# KiCad board GanJing 65 rev 2 solder-rounded.kicad_pcb (continued)
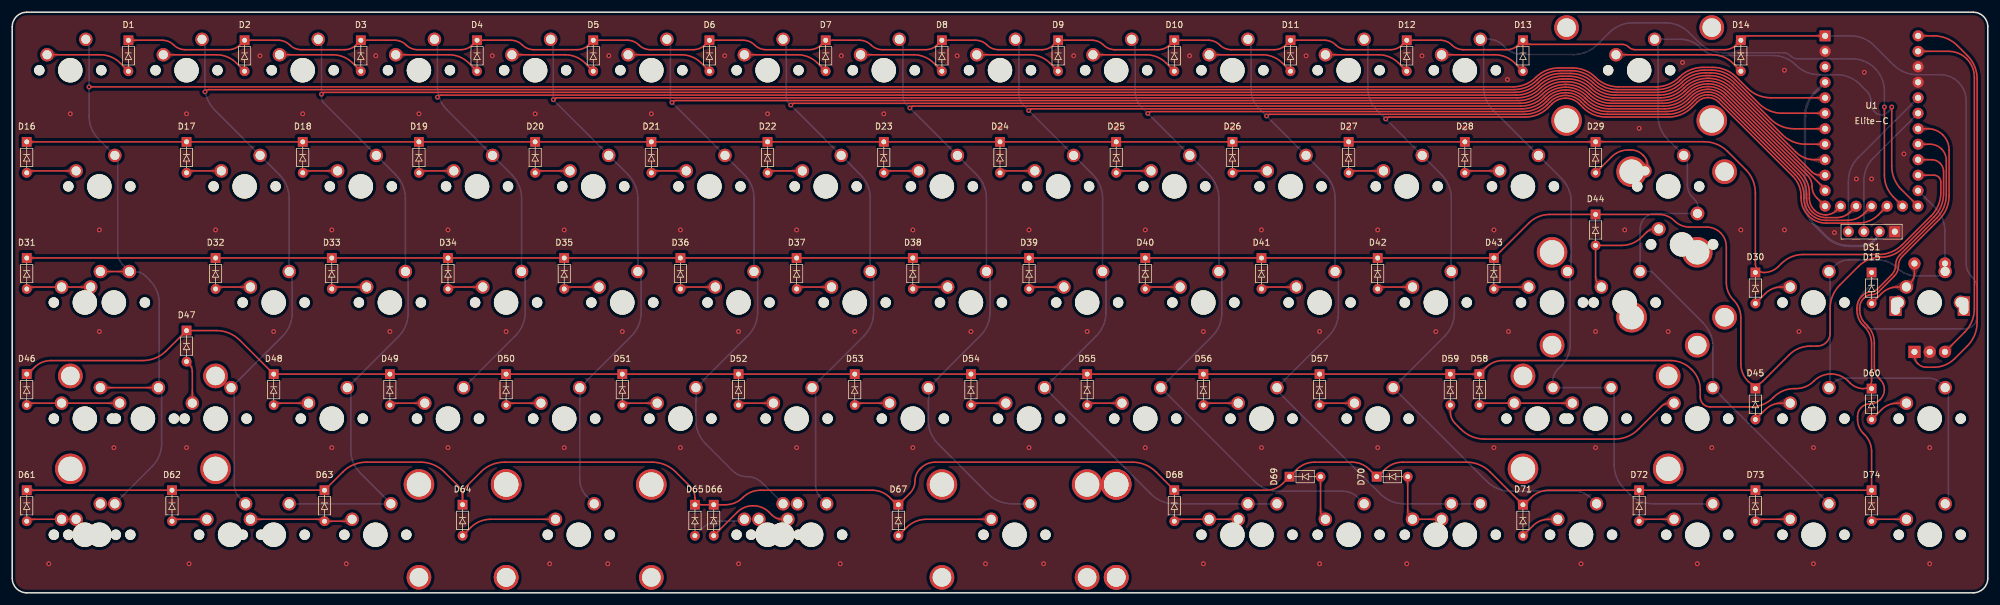
[diagram p0: board, top side]
## Copper pours and planes (outline as drawn; the poured copper is in the pictures) (continued)
Net-(D58-Pad2) on Top: 242.04,31.24 241.83,31.25 241.66,31.27 241.51,31.31 241.38,31.36 241.26,31.41 241.14,31.46 241.02,31.51 240.88,31.55 240.73,31.58 240.54,31.6 240.14,30.64 241.11,30.27 241.2,30.39 241.28,30.5 241.35,30.6 241.42,30.7 241.48,30.78 241.56,30.85 241.65,30.91 241.75,30.95 241.88,30.98 242.04,30.99
Net-(D58-Pad2) on Top: 242.04,31.24 241.83,31.25 241.66,31.27 241.51,31.31 241.38,31.36 241.26,31.41 241.14,31.46 241.02,31.51 240.88,31.55 240.73,31.58 240.54,31.6 240.14,30.64 241.11,30.27 241.2,30.39 241.28,30.5 241.35,30.6 241.42,30.7 241.48,30.78 241.56,30.85 241.65,30.91 241.75,30.95 241.88,30.98 242.04,30.99
Net-(D58-Pad2) on Top: 253.56,30.99 253.82,30.98 254.03,30.94 254.2,30.87 254.35,30.79 254.48,30.7 254.61,30.59 254.74,30.48 254.89,30.36 255.06,30.24 255.27,30.12 256.3,31.12 255.27,32.1 255.06,31.99 254.89,31.87 254.74,31.75 254.61,31.64 254.48,31.53 254.35,31.44 254.2,31.36 254.03,31.29 253.82,31.25 253.56,31.24
Net-(D59-Pad2) on Top: 235.98,28.93 235.93,29.14 235.91,29.32 235.93,29.48 235.96,29.61 236.02,29.74 236.09,29.86 236.27,30.12 236.37,30.27 236.46,30.45 235.74,31.2 235.02,30.45 235.12,30.26 235.2,30.1 235.35,29.83 235.41,29.71 235.48,29.58 235.54,29.44 235.6,29.28 235.67,29.09 235.74,28.86
Net-(D59-Pad2) on Top: 270.42,30.5 270.59,30.63 270.75,30.7 270.9,30.71 271.05,30.68 271.19,30.61 271.34,30.51 271.49,30.4 271.65,30.28 271.83,30.18 272.03,30.09 272.96,31.16 271.65,31.91 271.49,31.75 271.34,31.62 271.21,31.51 271.09,31.41 270.86,31.23 270.73,31.12 270.59,31 270.43,30.86 270.25,30.68
Net-(D59-Pad2) on Top: 235.98,28.93 235.93,29.14 235.91,29.32 235.93,29.48 235.96,29.61 236.02,29.74 236.09,29.86 236.27,30.12 236.37,30.27 236.46,30.45 235.74,31.2 235.02,30.45 235.12,30.26 235.2,30.1 235.35,29.83 235.41,29.71 235.48,29.58 235.54,29.44 235.6,29.28 235.67,29.09 235.74,28.86
Net-(D59-Pad2) on Top: 270.42,30.5 270.59,30.63 270.75,30.7 270.9,30.71 271.05,30.68 271.19,30.61 271.34,30.51 271.49,30.4 271.65,30.28 271.83,30.18 272.03,30.09 272.96,31.16 271.65,31.91 271.49,31.75 271.34,31.62 271.21,31.51 271.09,31.41 270.86,31.23 270.73,31.12 270.59,31 270.43,30.86 270.25,30.68
Net-(D60-Pad2) on Top: 305.84,29.63 305.7,29.5 305.57,29.41 305.45,29.35 305.33,29.32 305.22,29.29 305.1,29.28 304.98,29.27 304.85,29.25 304.7,29.22 304.54,29.17 304.52,28.13 305.56,28.15 305.6,28.32 305.63,28.46 305.65,28.59 305.66,28.72 305.68,28.84 305.7,28.95 305.74,29.07 305.8,29.19 305.89,29.31 306.01,29.45
Net-(D60-Pad2) on Top: 307.96,30.83 308.25,30.9 308.49,30.92 308.7,30.9 308.89,30.85 309.06,30.76 309.23,30.65 309.4,30.53 309.58,30.39 309.79,30.26 310.04,30.12 311.06,31.12 310.04,32.1 309.77,31.97 309.56,31.85 309.37,31.74 309.2,31.64 309.03,31.55 308.86,31.45 308.67,31.36 308.46,31.27 308.2,31.17 307.89,31.07
Net-(D60-Pad2) on Top: 305.84,29.63 305.7,29.5 305.57,29.41 305.45,29.35 305.33,29.32 305.22,29.29 305.1,29.28 304.98,29.27 304.85,29.25 304.7,29.22 304.54,29.17 304.52,28.13 305.56,28.15 305.6,28.32 305.63,28.46 305.65,28.59 305.66,28.72 305.68,28.84 305.7,28.95 305.74,29.07 305.8,29.19 305.89,29.31 306.01,29.45
Net-(D60-Pad2) on Top: 307.96,30.83 308.25,30.9 308.49,30.92 308.7,30.9 308.89,30.85 309.06,30.76 309.23,30.65 309.4,30.53 309.58,30.39 309.79,30.26 310.04,30.12 311.06,31.12 310.04,32.1 309.77,31.97 309.56,31.85 309.37,31.74 309.2,31.64 309.03,31.55 308.86,31.45 308.67,31.36 308.46,31.27 308.2,31.17 307.89,31.07
Net-(D61-Pad2) on Top: 8.28,11.94 8.54,11.93 8.75,11.89 8.93,11.82 9.08,11.74 9.21,11.65 9.34,11.54 9.47,11.43 9.62,11.31 9.79,11.19 10,11.07 11.03,12.06 10,13.06 9.79,12.94 9.62,12.82 9.47,12.7 9.34,12.59 9.21,12.48 9.08,12.39 8.93,12.31 8.75,12.24 8.54,12.2 8.28,12.19
Net-(D61-Pad2) on Top: 3.92,12.19 3.71,12.2 3.53,12.22 3.38,12.26 3.25,12.31 3.13,12.36 3.02,12.41 2.9,12.46 2.76,12.5 2.6,12.53 2.42,12.55 2.01,11.59 2.99,11.22 3.08,11.34 3.16,11.45 3.23,11.55 3.29,11.65 3.36,11.73 3.43,11.8 3.52,11.86 3.63,11.9 3.76,11.93 3.92,11.94
Net-(D61-Pad2) on Top: 8.28,11.94 8.54,11.93 8.75,11.89 8.93,11.82 9.08,11.74 9.21,11.65 9.34,11.54 9.47,11.43 9.62,11.31 9.79,11.19 10,11.07 11.03,12.06 10,13.06 9.79,12.94 9.62,12.82 9.47,12.7 9.34,12.59 9.21,12.48 9.08,12.39 8.93,12.31 8.75,12.24 8.54,12.2 8.28,12.19
Net-(D61-Pad2) on Top: 3.92,12.19 3.71,12.2 3.53,12.22 3.38,12.26 3.25,12.31 3.13,12.36 3.02,12.41 2.9,12.46 2.76,12.5 2.6,12.53 2.42,12.55 2.01,11.59 2.99,11.22 3.08,11.34 3.16,11.45 3.23,11.55 3.29,11.65 3.36,11.73 3.43,11.8 3.52,11.86 3.63,11.9 3.76,11.93 3.92,11.94
Net-(D62-Pad2) on Top: 29.72,11.94 29.98,11.93 30.19,11.89 30.37,11.82 30.51,11.74 30.65,11.65 30.77,11.54 30.9,11.43 31.05,11.31 31.22,11.19 31.43,11.07 32.46,12.06 31.43,13.06 31.22,12.94 31.05,12.82 30.9,12.7 30.77,12.59 30.65,12.48 30.51,12.39 30.37,12.31 30.19,12.24 29.98,12.2 29.72,12.19
Net-(D62-Pad2) on Top: 29.72,11.94 29.98,11.93 30.19,11.89 30.37,11.82 30.51,11.74 30.65,11.65 30.77,11.54 30.9,11.43 31.05,11.31 31.22,11.19 31.43,11.07 32.46,12.06 31.43,13.06 31.22,12.94 31.05,12.82 30.9,12.7 30.77,12.59 30.65,12.48 30.51,12.39 30.37,12.31 30.19,12.24 29.98,12.2 29.72,12.19
Net-(D62-Pad2) on Top: 27.73,12.19 27.52,12.2 27.34,12.22 27.19,12.26 27.06,12.31 26.95,12.36 26.83,12.41 26.71,12.46 26.57,12.5 26.42,12.53 26.23,12.55 25.83,11.59 26.8,11.22 26.89,11.34 26.97,11.45 27.04,11.55 27.1,11.65 27.17,11.73 27.25,11.8 27.33,11.86 27.44,11.9 27.57,11.93 27.73,11.94
Net-(D62-Pad2) on Top: 27.73,12.19 27.52,12.2 27.34,12.22 27.19,12.26 27.06,12.31 26.95,12.36 26.83,12.41 26.71,12.46 26.57,12.5 26.42,12.53 26.23,12.55 25.83,11.59 26.8,11.22 26.89,11.34 26.97,11.45 27.04,11.55 27.1,11.65 27.17,11.73 27.25,11.8 27.33,11.86 27.44,11.9 27.57,11.93 27.73,11.94
Net-(D63-Pad2) on Top: 52.78,11.87 52.6,11.88 52.44,11.91 52.32,11.95 52.21,12.01 52.11,12.07 52.02,12.14 51.92,12.22 51.82,12.3 51.69,12.39 51.54,12.47 50.79,11.75 51.54,11.03 51.69,11.11 51.82,11.19 51.92,11.27 52.02,11.35 52.11,11.42 52.21,11.49 52.32,11.54 52.44,11.59 52.6,11.61 52.78,11.62
Net-(D63-Pad2) on Top: 49.66,11.94 49.82,11.93 49.95,11.9 50.05,11.86 50.14,11.8 50.22,11.73 50.28,11.65 50.35,11.55 50.42,11.45 50.5,11.34 50.59,11.22 51.56,11.59 51.16,12.55 50.97,12.53 50.82,12.5 50.68,12.46 50.56,12.41 50.44,12.36 50.32,12.31 50.19,12.26 50.04,12.22 49.87,12.2 49.66,12.19
Net-(D63-Pad2) on Top: 41.24,12.19 40.98,12.2 40.77,12.24 40.6,12.31 40.45,12.39 40.31,12.48 40.19,12.59 40.06,12.7 39.91,12.82 39.74,12.94 39.53,13.06 38.5,12.06 39.53,11.07 39.74,11.19 39.91,11.31 40.06,11.43 40.19,11.54 40.31,11.65 40.45,11.74 40.6,11.82 40.77,11.89 40.98,11.93 41.24,11.94
Net-(D63-Pad2) on Top: 53.56,11.62 53.85,11.61 54.08,11.57 54.28,11.51 54.45,11.44 54.6,11.36 54.75,11.27 54.91,11.18 55.09,11.1 55.3,11.03 55.55,10.98 56.25,12.22 54.98,12.88 54.82,12.72 54.7,12.57 54.59,12.43 54.48,12.3 54.38,12.18 54.27,12.08 54.14,11.99 53.99,11.93 53.8,11.89 53.56,11.87
Net-(D63-Pad2) on Top: 53.56,11.62 53.85,11.61 54.08,11.57 54.28,11.51 54.45,11.44 54.6,11.36 54.75,11.27 54.91,11.18 55.09,11.1 55.3,11.03 55.55,10.98 56.25,12.22 54.98,12.88 54.82,12.72 54.7,12.57 54.59,12.43 54.48,12.3 54.38,12.18 54.27,12.08 54.14,11.99 53.99,11.93 53.8,11.89 53.56,11.87
Net-(D63-Pad2) on Top: 52.78,11.87 52.6,11.88 52.44,11.91 52.32,11.95 52.21,12.01 52.11,12.07 52.02,12.14 51.92,12.22 51.82,12.3 51.69,12.39 51.54,12.47 50.79,11.75 51.54,11.03 51.69,11.11 51.82,11.19 51.92,11.27 52.02,11.35 52.11,11.42 52.21,11.49 52.32,11.54 52.44,11.59 52.6,11.61 52.78,11.62
Net-(D63-Pad2) on Top: 41.24,12.19 40.98,12.2 40.77,12.24 40.6,12.31 40.45,12.39 40.31,12.48 40.19,12.59 40.06,12.7 39.91,12.82 39.74,12.94 39.53,13.06 38.5,12.06 39.53,11.07 39.74,11.19 39.91,11.31 40.06,11.43 40.19,11.54 40.31,11.65 40.45,11.74 40.6,11.82 40.77,11.89 40.98,11.93 41.24,11.94
Net-(D63-Pad2) on Top: 49.66,11.94 49.82,11.93 49.95,11.9 50.05,11.86 50.14,11.8 50.22,11.73 50.28,11.65 50.35,11.55 50.42,11.45 50.5,11.34 50.59,11.22 51.56,11.59 51.16,12.55 50.97,12.53 50.82,12.5 50.68,12.46 50.56,12.41 50.44,12.36 50.32,12.31 50.19,12.26 50.04,12.22 49.87,12.2 49.66,12.19
Net-(D64-Pad2) on Top: 86.87,11.94 87.13,11.93 87.34,11.89 87.52,11.82 87.66,11.74 87.8,11.65 87.92,11.54 88.05,11.43 88.2,11.31 88.37,11.19 88.58,11.07 89.61,12.06 88.58,13.06 88.37,12.94 88.2,12.82 88.05,12.7 87.92,12.59 87.8,12.48 87.66,12.39 87.52,12.31 87.34,12.24 87.13,12.2 86.87,12.19
Net-(D64-Pad2) on Top: 86.87,11.94 87.13,11.93 87.34,11.89 87.52,11.82 87.66,11.74 87.8,11.65 87.92,11.54 88.05,11.43 88.2,11.31 88.37,11.19 88.58,11.07 89.61,12.06 88.58,13.06 88.37,12.94 88.2,12.82 88.05,12.7 87.92,12.59 87.8,12.48 87.66,12.39 87.52,12.31 87.34,12.24 87.13,12.2 86.87,12.19
Net-(D64-Pad2) on Top: 74.85,10.58 74.72,10.45 74.59,10.36 74.47,10.3 74.35,10.27 74.24,10.24 74.12,10.23 74,10.22 73.86,10.2 73.72,10.17 73.56,10.12 73.54,9.08 74.57,9.1 74.62,9.27 74.65,9.41 74.67,9.54 74.68,9.67 74.7,9.79 74.72,9.9 74.76,10.02 74.82,10.14 74.91,10.26 75.03,10.4
Net-(D64-Pad2) on Top: 74.85,10.58 74.72,10.45 74.59,10.36 74.47,10.3 74.35,10.27 74.24,10.24 74.12,10.23 74,10.22 73.86,10.2 73.72,10.17 73.56,10.12 73.54,9.08 74.57,9.1 74.62,9.27 74.65,9.41 74.67,9.54 74.68,9.67 74.7,9.79 74.72,9.9 74.76,10.02 74.82,10.14 74.91,10.26 75.03,10.4
Net-(D65-Pad2) on Bottom: 122.21,12.19 121.94,12.2 121.73,12.24 121.56,12.31 121.41,12.39 121.28,12.48 121.15,12.59 121.02,12.7 120.87,12.82 120.7,12.94 120.49,13.06 119.47,12.06 120.49,11.07 120.7,11.19 120.87,11.31 121.02,11.43 121.15,11.54 121.28,11.65 121.41,11.74 121.56,11.82 121.73,11.89 121.94,11.93 122.21,11.94
Net-(D65-Pad2) on Bottom: 120.21,11.94 120.47,11.93 120.68,11.89 120.85,11.82 121,11.74 121.13,11.65 121.26,11.54 121.39,11.43 121.54,11.31 121.71,11.19 121.92,11.07 122.95,12.06 121.92,13.06 121.71,12.94 121.54,12.82 121.39,12.7 121.26,12.59 121.13,12.48 121,12.39 120.85,12.31 120.68,12.24 120.47,12.2 120.21,12.19
Net-(D65-Pad2) on Bottom: 117.86,11.62 118.14,11.61 118.38,11.57 118.57,11.51 118.74,11.44 118.9,11.36 119.05,11.27 119.21,11.18 119.38,11.1 119.59,11.03 119.84,10.98 120.54,12.22 119.27,12.88 119.12,12.72 118.99,12.57 118.88,12.43 118.78,12.3 118.68,12.18 118.57,12.08 118.44,11.99 118.28,11.93 118.09,11.89 117.86,11.87
Net-(D65-Pad2) on Bottom: 117.86,11.62 118.14,11.61 118.38,11.57 118.57,11.51 118.74,11.44 118.9,11.36 119.05,11.27 119.21,11.18 119.38,11.1 119.59,11.03 119.84,10.98 120.54,12.22 119.27,12.88 119.12,12.72 118.99,12.57 118.88,12.43 118.78,12.3 118.68,12.18 118.57,12.08 118.44,11.99 118.28,11.93 118.09,11.89 117.86,11.87
Net-(D65-Pad2) on Bottom: 122.21,12.19 121.94,12.2 121.73,12.24 121.56,12.31 121.41,12.39 121.28,12.48 121.15,12.59 121.02,12.7 120.87,12.82 120.7,12.94 120.49,13.06 119.47,12.06 120.49,11.07 120.7,11.19 120.87,11.31 121.02,11.43 121.15,11.54 121.28,11.65 121.41,11.74 121.56,11.82 121.73,11.89 121.94,11.93 122.21,11.94
Net-(D65-Pad2) on Bottom: 112.95,10.58 112.82,10.45 112.69,10.36 112.57,10.3 112.45,10.27 112.34,10.24 112.22,10.23 112.1,10.22 111.96,10.2 111.82,10.17 111.66,10.12 111.64,9.08 112.67,9.1 112.72,9.27 112.75,9.41 112.77,9.54 112.78,9.67 112.8,9.79 112.82,9.9 112.86,10.02 112.92,10.14 113.01,10.26 113.13,10.4
Net-(D65-Pad2) on Bottom: 120.21,11.94 120.47,11.93 120.68,11.89 120.85,11.82 121,11.74 121.13,11.65 121.26,11.54 121.39,11.43 121.54,11.31 121.71,11.19 121.92,11.07 122.95,12.06 121.92,13.06 121.71,12.94 121.54,12.82 121.39,12.7 121.26,12.59 121.13,12.48 121,12.39 120.85,12.31 120.68,12.24 120.47,12.2 120.21,12.19
Net-(D65-Pad2) on Bottom: 112.95,10.58 112.82,10.45 112.69,10.36 112.57,10.3 112.45,10.27 112.34,10.24 112.22,10.23 112.1,10.22 111.96,10.2 111.82,10.17 111.66,10.12 111.64,9.08 112.67,9.1 112.72,9.27 112.75,9.41 112.77,9.54 112.78,9.67 112.8,9.79 112.82,9.9 112.86,10.02 112.92,10.14 113.01,10.26 113.13,10.4
Net-(D66-Pad2) on Top: 116.03,10.58 115.89,10.45 115.76,10.36 115.64,10.3 115.53,10.27 115.41,10.24 115.3,10.23 115.17,10.22 115.04,10.2 114.89,10.17 114.73,10.12 114.71,9.08 115.75,9.1 115.8,9.27 115.83,9.41 115.84,9.54 115.86,9.67 115.87,9.79 115.89,9.9 115.93,10.02 115.99,10.14 116.08,10.26 116.21,10.4
Net-(D66-Pad2) on Top: 124.95,12.28 125.19,12.13 125.38,12.01 125.54,11.89 125.68,11.78 125.94,11.58 126.07,11.47 126.22,11.36 126.39,11.25 126.6,11.12 127.71,12.05 126.71,13.07 126.51,12.96 126.34,12.85 126.19,12.72 126.05,12.6 125.91,12.5 125.77,12.42 125.62,12.37 125.46,12.36 125.28,12.4 125.08,12.5
Net-(D66-Pad2) on Top: 116.03,10.58 115.89,10.45 115.76,10.36 115.64,10.3 115.53,10.27 115.41,10.24 115.3,10.23 115.17,10.22 115.04,10.2 114.89,10.17 114.73,10.12 114.71,9.08 115.75,9.1 115.8,9.27 115.83,9.41 115.84,9.54 115.86,9.67 115.87,9.79 115.89,9.9 115.93,10.02 115.99,10.14 116.08,10.26 116.21,10.4
Net-(D66-Pad2) on Top: 124.95,12.28 125.19,12.13 125.38,12.01 125.54,11.89 125.68,11.78 125.94,11.58 126.07,11.47 126.22,11.36 126.39,11.25 126.6,11.12 127.71,12.05 126.71,13.07 126.51,12.96 126.34,12.85 126.19,12.72 126.05,12.6 125.91,12.5 125.77,12.42 125.62,12.37 125.46,12.36 125.28,12.4 125.08,12.5
Net-(D67-Pad2) on Top: 146.29,10.58 146.15,10.45 146.03,10.36 145.91,10.3 145.79,10.27 145.68,10.24 145.56,10.23 145.43,10.22 145.3,10.2 145.16,10.17 144.99,10.12 144.97,9.08 146.01,9.1 146.06,9.27 146.09,9.41 146.11,9.54 146.12,9.67 146.13,9.79 146.16,9.9 146.19,10.02 146.25,10.14 146.34,10.26 146.47,10.4
Net-(D67-Pad2) on Top: 158.31,11.94 158.57,11.93 158.78,11.89 158.95,11.82 159.1,11.74 159.23,11.65 159.36,11.54 159.49,11.43 159.64,11.31 159.81,11.19 160.02,11.07 161.05,12.06 160.02,13.06 159.81,12.94 159.64,12.82 159.49,12.7 159.36,12.59 159.23,12.48 159.1,12.39 158.95,12.31 158.78,12.24 158.57,12.2 158.31,12.19
Net-(D67-Pad2) on Top: 146.29,10.58 146.15,10.45 146.03,10.36 145.91,10.3 145.79,10.27 145.68,10.24 145.56,10.23 145.43,10.22 145.3,10.2 145.16,10.17 144.99,10.12 144.97,9.08 146.01,9.1 146.06,9.27 146.09,9.41 146.11,9.54 146.12,9.67 146.13,9.79 146.16,9.9 146.19,10.02 146.25,10.14 146.34,10.26 146.47,10.4
Net-(D67-Pad2) on Top: 158.31,11.94 158.57,11.93 158.78,11.89 158.95,11.82 159.1,11.74 159.23,11.65 159.36,11.54 159.49,11.43 159.64,11.31 159.81,11.19 160.02,11.07 161.05,12.06 160.02,13.06 159.81,12.94 159.64,12.82 159.49,12.7 159.36,12.59 159.23,12.48 159.1,12.39 158.95,12.31 158.78,12.24 158.57,12.2 158.31,12.19
Net-(D68-Pad2) on Top: 192.04,12.19 191.83,12.2 191.65,12.22 191.5,12.26 191.37,12.31 191.25,12.36 191.14,12.41 191.01,12.46 190.88,12.5 190.72,12.53 190.54,12.55 190.13,11.59 191.1,11.22 191.2,11.34 191.28,11.45 191.34,11.55 191.41,11.65 191.48,11.73 191.55,11.8 191.64,11.86 191.75,11.9 191.88,11.93 192.04,11.94
Net-(D68-Pad2) on Top: 192.04,12.19 191.83,12.2 191.65,12.22 191.5,12.26 191.37,12.31 191.25,12.36 191.14,12.41 191.01,12.46 190.88,12.5 190.72,12.53 190.54,12.55 190.13,11.59 191.1,11.22 191.2,11.34 191.28,11.45 191.34,11.55 191.41,11.65 191.48,11.73 191.55,11.8 191.64,11.86 191.75,11.9 191.88,11.93 192.04,11.94
Net-(D68-Pad2) on Top: 198.79,11.94 199.05,11.93 199.26,11.89 199.43,11.82 199.58,11.74 199.72,11.65 199.84,11.54 199.97,11.43 200.12,11.31 200.29,11.19 200.5,11.07 201.53,12.06 200.5,13.06 200.29,12.94 200.12,12.82 199.97,12.7 199.84,12.59 199.72,12.48 199.58,12.39 199.43,12.31 199.26,12.24 199.05,12.2 198.79,12.19
Net-(D68-Pad2) on Top: 198.79,11.94 199.05,11.93 199.26,11.89 199.43,11.82 199.58,11.74 199.72,11.65 199.84,11.54 199.97,11.43 200.12,11.31 200.29,11.19 200.5,11.07 201.53,12.06 200.5,13.06 200.29,12.94 200.12,12.82 199.97,12.7 199.84,12.59 199.72,12.48 199.58,12.39 199.43,12.31 199.26,12.24 199.05,12.2 198.79,12.19
Net-(D69-Pad2) on Top: 214.6,17.46 214.61,17.65 214.63,17.8 214.67,17.93 214.73,18.04 214.79,18.13 214.87,18.23 214.95,18.32 215.03,18.43 215.11,18.55 215.19,18.7 214.47,19.45 213.75,18.7 213.83,18.55 213.91,18.43 214,18.32 214.07,18.23 214.15,18.13 214.21,18.04 214.27,17.93 214.31,17.8 214.34,17.65 214.35,17.46
Net-(D69-Pad2) on Top: 214.35,14.03 214.34,13.76 214.33,13.53 214.31,13.33 214.28,13.16 214.23,12.85 214.2,12.69 214.18,12.51 214.17,12.31 214.16,12.06 215.57,11.61 215.83,13.01 215.65,13.1 215.47,13.18 215.29,13.24 215.13,13.29 214.98,13.35 214.86,13.43 214.75,13.52 214.67,13.65 214.61,13.81 214.6,14.03
Net-(D69-Pad2) on Top: 214.35,14.03 214.34,13.76 214.33,13.53 214.31,13.33 214.28,13.16 214.23,12.85 214.2,12.69 214.18,12.51 214.17,12.31 214.16,12.06 215.57,11.61 215.83,13.01 215.65,13.1 215.47,13.18 215.29,13.24 215.13,13.29 214.98,13.35 214.86,13.43 214.75,13.52 214.67,13.65 214.61,13.81 214.6,14.03
Net-(D69-Pad2) on Top: 214.6,17.46 214.61,17.65 214.63,17.8 214.67,17.93 214.73,18.04 214.79,18.13 214.87,18.23 214.95,18.32 215.03,18.43 215.11,18.55 215.19,18.7 214.47,19.45 213.75,18.7 213.83,18.55 213.91,18.43 214,18.32 214.07,18.23 214.15,18.13 214.21,18.04 214.27,17.93 214.31,17.8 214.34,17.65 214.35,17.46
Net-(D70-Pad2) on Top: 228.63,14.03 228.63,13.76 228.61,13.53 228.59,13.33 228.57,13.16 228.52,12.85 228.49,12.69 228.47,12.51 228.46,12.31 228.45,12.06 229.85,11.61 230.12,13.01 229.93,13.1 229.76,13.18 229.58,13.24 229.42,13.29 229.27,13.35 229.14,13.43 229.04,13.52 228.95,13.65 228.9,13.81 228.88,14.03
Net-(D70-Pad2) on Top: 232.13,11.94 232.39,11.93 232.6,11.89 232.77,11.82 232.92,11.74 233.05,11.65 233.18,11.54 233.31,11.43 233.46,11.31 233.63,11.19 233.84,11.07 234.86,12.06 233.84,13.06 233.63,12.94 233.46,12.82 233.31,12.7 233.18,12.59 233.05,12.48 232.92,12.39 232.77,12.31 232.6,12.24 232.39,12.2 232.13,12.19
Net-(D70-Pad2) on Top: 231.11,12.19 230.92,12.21 230.78,12.25 230.67,12.33 230.59,12.42 230.52,12.52 230.45,12.64 230.38,12.75 230.29,12.86 230.18,12.97 230.03,13.06 229,12.06 230.03,11.07 230.18,11.16 230.29,11.27 230.38,11.38 230.45,11.49 230.52,11.61 230.59,11.71 230.67,11.8 230.78,11.88 230.92,11.92 231.11,11.94
Net-(D70-Pad2) on Top: 228.88,17.46 228.89,17.65 228.92,17.8 228.96,17.93 229.02,18.04 229.08,18.13 229.16,18.23 229.23,18.32 229.32,18.43 229.4,18.55 229.48,18.7 228.76,19.45 228.04,18.7 228.12,18.55 228.2,18.43 228.28,18.32 228.36,18.23 228.44,18.13 228.5,18.04 228.56,17.93 228.6,17.8 228.62,17.65 228.63,17.46
Net-(D70-Pad2) on Top: 232.13,11.94 232.39,11.93 232.6,11.89 232.77,11.82 232.92,11.74 233.05,11.65 233.18,11.54 233.31,11.43 233.46,11.31 233.63,11.19 233.84,11.07 234.86,12.06 233.84,13.06 233.63,12.94 233.46,12.82 233.31,12.7 233.18,12.59 233.05,12.48 232.92,12.39 232.77,12.31 232.6,12.24 232.39,12.2 232.13,12.19
Net-(D70-Pad2) on Top: 228.88,17.46 228.89,17.65 228.92,17.8 228.96,17.93 229.02,18.04 229.08,18.13 229.16,18.23 229.23,18.32 229.32,18.43 229.4,18.55 229.48,18.7 228.76,19.45 228.04,18.7 228.12,18.55 228.2,18.43 228.28,18.32 228.36,18.23 228.44,18.13 228.5,18.04 228.56,17.93 228.6,17.8 228.62,17.65 228.63,17.46
Net-(D70-Pad2) on Top: 228.63,14.03 228.63,13.76 228.61,13.53 228.59,13.33 228.57,13.16 228.52,12.85 228.49,12.69 228.47,12.51 228.46,12.31 228.45,12.06 229.85,11.61 230.12,13.01 229.93,13.1 229.76,13.18 229.58,13.24 229.42,13.29 229.27,13.35 229.14,13.43 229.04,13.52 228.95,13.65 228.9,13.81 228.88,14.03
Net-(D70-Pad2) on Top: 231.11,12.19 230.92,12.21 230.78,12.25 230.67,12.33 230.59,12.42 230.52,12.52 230.45,12.64 230.38,12.75 230.29,12.86 230.18,12.97 230.03,13.06 229,12.06 230.03,11.07 230.18,11.16 230.29,11.27 230.38,11.38 230.45,11.49 230.52,11.61 230.59,11.71 230.67,11.8 230.78,11.88 230.92,11.92 231.11,11.94
Net-(D71-Pad2) on Top: 248.69,10.58 248.55,10.45 248.42,10.36 248.3,10.3 248.18,10.27 248.07,10.24 247.95,10.23 247.83,10.22 247.7,10.2 247.55,10.17 247.39,10.12 247.37,9.08 248.41,9.1 248.45,9.27 248.48,9.41 248.5,9.54 248.51,9.67 248.53,9.79 248.55,9.9 248.59,10.02 248.65,10.14 248.74,10.26 248.86,10.4
Net-(D71-Pad2) on Top: 250.81,11.78 251.1,11.85 251.34,11.87 251.55,11.85 251.74,11.8 251.91,11.71 252.08,11.6 252.25,11.48 252.43,11.34 252.64,11.21 252.89,11.07 253.91,12.06 252.89,13.06 252.62,12.92 252.41,12.8 252.22,12.69 252.05,12.59 251.88,12.5 251.71,12.4 251.52,12.31 251.31,12.22 251.05,12.12 250.74,12.02
Net-(D71-Pad2) on Top: 248.69,10.58 248.55,10.45 248.42,10.36 248.3,10.3 248.18,10.27 248.07,10.24 247.95,10.23 247.83,10.22 247.7,10.2 247.55,10.17 247.39,10.12 247.37,9.08 248.41,9.1 248.45,9.27 248.48,9.41 248.5,9.54 248.51,9.67 248.53,9.79 248.55,9.9 248.59,10.02 248.65,10.14 248.74,10.26 248.86,10.4
Net-(D71-Pad2) on Top: 250.81,11.78 251.1,11.85 251.34,11.87 251.55,11.85 251.74,11.8 251.91,11.71 252.08,11.6 252.25,11.48 252.43,11.34 252.64,11.21 252.89,11.07 253.91,12.06 252.89,13.06 252.62,12.92 252.41,12.8 252.22,12.69 252.05,12.59 251.88,12.5 251.71,12.4 251.52,12.31 251.31,12.22 251.05,12.12 250.74,12.02
Net-(D72-Pad2) on Top: 268.24,12.19 268.03,12.2 267.85,12.22 267.7,12.26 267.57,12.31 267.45,12.36 267.34,12.41 267.21,12.46 267.08,12.5 266.92,12.53 266.74,12.55 266.33,11.59 267.3,11.22 267.4,11.34 267.48,11.45 267.54,11.55 267.61,11.65 267.68,11.73 267.75,11.8 267.84,11.86 267.95,11.9 268.08,11.93 268.24,11.94
Net-(D72-Pad2) on Top: 270.22,11.94 270.49,11.93 270.7,11.89 270.87,11.82 271.02,11.74 271.15,11.65 271.28,11.54 271.41,11.43 271.56,11.31 271.73,11.19 271.94,11.07 272.96,12.06 271.94,13.06 271.73,12.94 271.56,12.82 271.41,12.7 271.28,12.59 271.15,12.48 271.02,12.39 270.87,12.31 270.7,12.24 270.49,12.2 270.22,12.19
Net-(D72-Pad2) on Top: 268.24,12.19 268.03,12.2 267.85,12.22 267.7,12.26 267.57,12.31 267.45,12.36 267.34,12.41 267.21,12.46 267.08,12.5 266.92,12.53 266.74,12.55 266.33,11.59 267.3,11.22 267.4,11.34 267.48,11.45 267.54,11.55 267.61,11.65 267.68,11.73 267.75,11.8 267.84,11.86 267.95,11.9 268.08,11.93 268.24,11.94
Net-(D72-Pad2) on Top: 270.22,11.94 270.49,11.93 270.7,11.89 270.87,11.82 271.02,11.74 271.15,11.65 271.28,11.54 271.41,11.43 271.56,11.31 271.73,11.19 271.94,11.07 272.96,12.06 271.94,13.06 271.73,12.94 271.56,12.82 271.41,12.7 271.28,12.59 271.15,12.48 271.02,12.39 270.87,12.31 270.7,12.24 270.49,12.2 270.22,12.19
Net-(D73-Pad2) on Top: 289.27,11.94 289.54,11.93 289.75,11.89 289.92,11.82 290.07,11.74 290.2,11.65 290.33,11.54 290.46,11.43 290.61,11.31 290.78,11.19 290.99,11.07 292.01,12.06 290.99,13.06 290.78,12.94 290.61,12.82 290.46,12.7 290.33,12.59 290.2,12.48 290.07,12.39 289.92,12.31 289.75,12.24 289.54,12.2 289.27,12.19
Net-(D73-Pad2) on Top: 287.29,12.19 287.08,12.2 286.9,12.22 286.75,12.26 286.62,12.31 286.5,12.36 286.39,12.41 286.26,12.46 286.13,12.5 285.97,12.53 285.79,12.55 285.38,11.59 286.35,11.22 286.45,11.34 286.53,11.45 286.59,11.55 286.66,11.65 286.73,11.73 286.8,11.8 286.89,11.86 287,11.9 287.13,11.93 287.29,11.94
Net-(D73-Pad2) on Top: 289.27,11.94 289.54,11.93 289.75,11.89 289.92,11.82 290.07,11.74 290.2,11.65 290.33,11.54 290.46,11.43 290.61,11.31 290.78,11.19 290.99,11.07 292.01,12.06 290.99,13.06 290.78,12.94 290.61,12.82 290.46,12.7 290.33,12.59 290.2,12.48 290.07,12.39 289.92,12.31 289.75,12.24 289.54,12.2 289.27,12.19
Net-(D73-Pad2) on Top: 287.29,12.19 287.08,12.2 286.9,12.22 286.75,12.26 286.62,12.31 286.5,12.36 286.39,12.41 286.26,12.46 286.13,12.5 285.97,12.53 285.79,12.55 285.38,11.59 286.35,11.22 286.45,11.34 286.53,11.45 286.59,11.55 286.66,11.65 286.73,11.73 286.8,11.8 286.89,11.86 287,11.9 287.13,11.93 287.29,11.94
Net-(D74-Pad2) on Top: 306.34,12.19 306.13,12.2 305.95,12.22 305.8,12.26 305.67,12.31 305.55,12.36 305.44,12.41 305.31,12.46 305.18,12.5 305.02,12.53 304.84,12.55 304.43,11.59 305.4,11.22 305.5,11.34 305.58,11.45 305.64,11.55 305.71,11.65 305.78,11.73 305.85,11.8 305.94,11.86 306.05,11.9 306.18,11.93 306.34,11.94
Net-(D74-Pad2) on Top: 308.32,11.94 308.59,11.93 308.8,11.89 308.97,11.82 309.12,11.74 309.25,11.65 309.38,11.54 309.51,11.43 309.66,11.31 309.83,11.19 310.04,11.07 311.06,12.06 310.04,13.06 309.83,12.94 309.66,12.82 309.51,12.7 309.38,12.59 309.25,12.48 309.12,12.39 308.97,12.31 308.8,12.24 308.59,12.2 308.32,12.19
Net-(D74-Pad2) on Top: 308.32,11.94 308.59,11.93 308.8,11.89 308.97,11.82 309.12,11.74 309.25,11.65 309.38,11.54 309.51,11.43 309.66,11.31 309.83,11.19 310.04,11.07 311.06,12.06 310.04,13.06 309.83,12.94 309.66,12.82 309.51,12.7 309.38,12.59 309.25,12.48 309.12,12.39 308.97,12.31 308.8,12.24 308.59,12.2 308.32,12.19
Net-(D74-Pad2) on Top: 306.34,12.19 306.13,12.2 305.95,12.22 305.8,12.26 305.67,12.31 305.55,12.36 305.44,12.41 305.31,12.46 305.18,12.5 305.02,12.53 304.84,12.55 304.43,11.59 305.4,11.22 305.5,11.34 305.58,11.45 305.64,11.55 305.71,11.65 305.78,11.73 305.85,11.8 305.94,11.86 306.05,11.9 306.18,11.93 306.34,11.94

Small or netless copper shapes (teardrops, artwork), in the pictures only: 14 on Top, 20 on Bottom

## Text on the board
B.Mask: Designed by Mingze Jin
F.Mask: 1.25u | 1.5u | Designed by Mingze Jin
